# KiCad board sbc.kicad_pcb (continued)
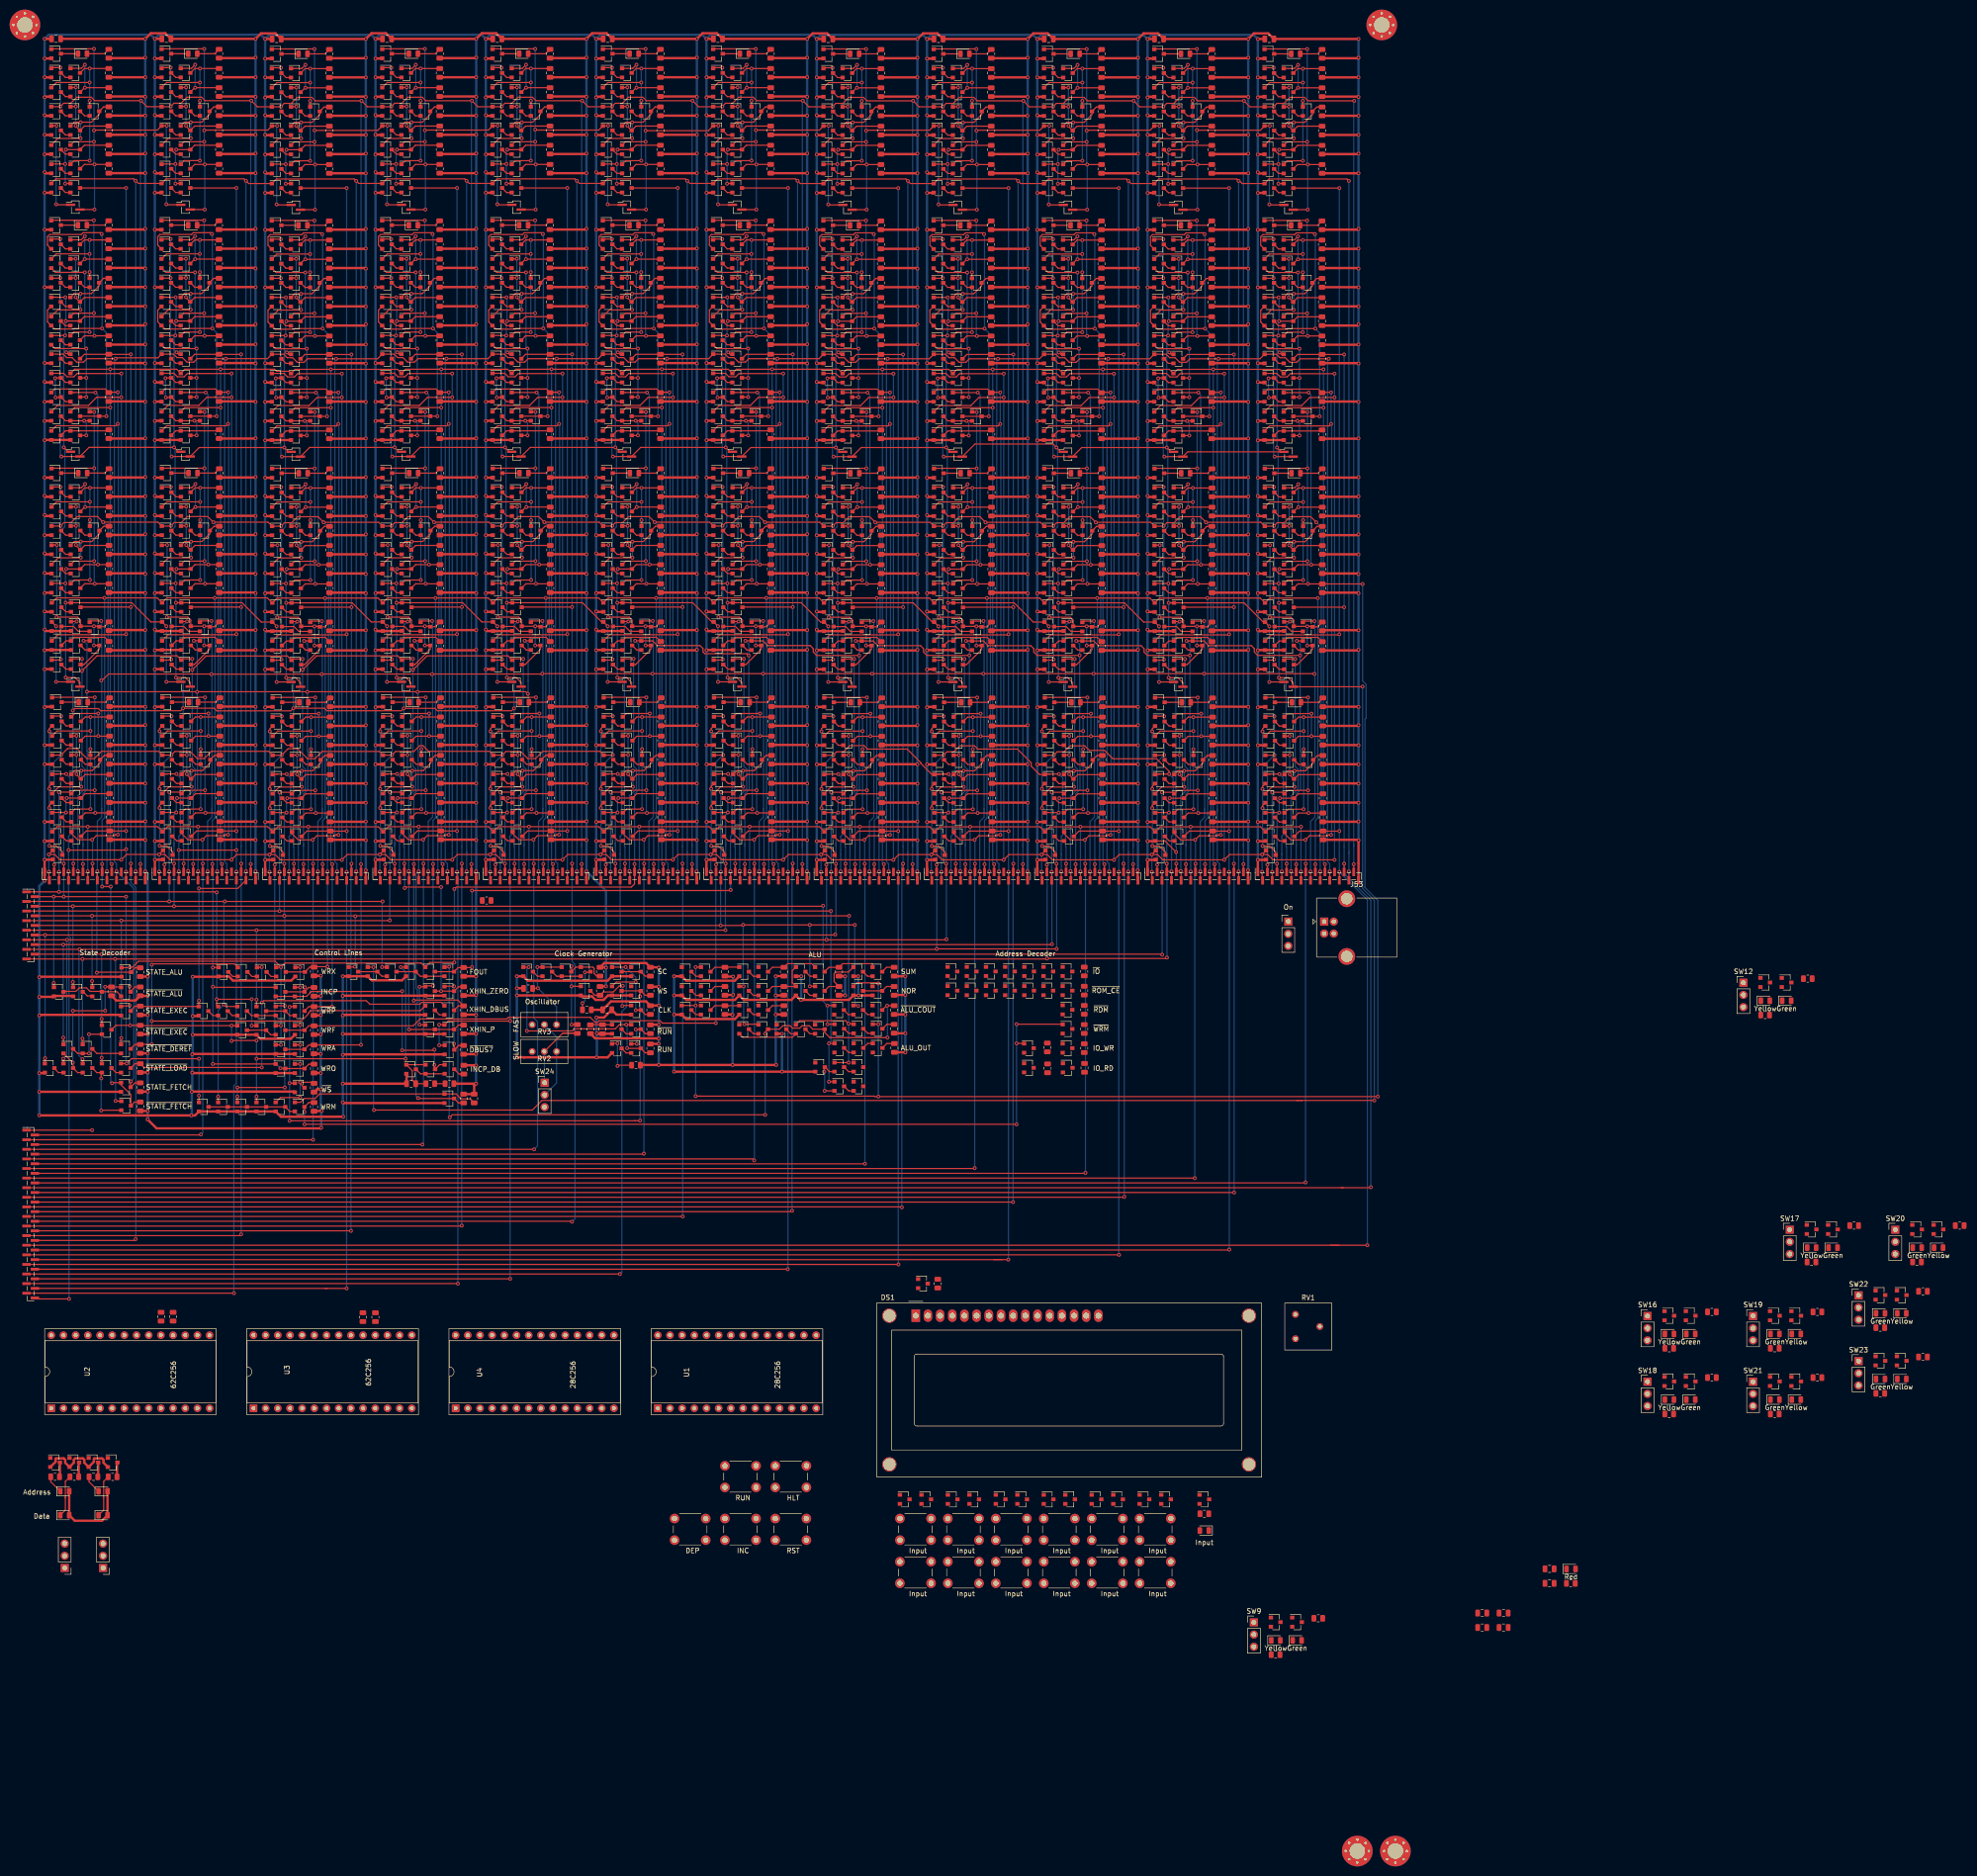
[diagram p0: board, top side]
## Routing (per net, layer and track width the routed paths; a pad name or vN(x,y) marks a point on that pad's centre or on a via; arc(x,y) is an arc through that point) (continued)
  Bottom w0.25: 265.15,209.52 265.15,210.02 ; 265.15,210.02 265.15,220.48 266.05,221.38 266.05,229.37 265.99,229.43 v1(265.99,249.37) 265.99,251.68 v1(265.27,252.39) ; 265.15,210.02 v1(265.15,205.82) ; v1(150.27,252.42) 150.99,251.71 v1(150.99,249.34) 150.99,229.46 151.05,229.39 151.05,221.41 150.15,220.51 150.15,210.05 ; 242.15,209.52 242.15,210.02 ; 242.15,210.02 242.15,220.48 243.05,221.38 243.05,229.37 242.99,229.43 v1(242.99,249.37) 242.99,251.68 v1(242.27,252.39) ; 242.15,210.02 v1(242.15,205.82) ; 219.15,210.02 219.15,220.48 220.05,221.38 220.05,229.37 219.99,229.43 v1(219.99,249.37) 219.99,251.68 v1(219.27,252.39) ; 219.15,210.02 v1(219.15,205.82) ; 219.15,210.02 219.15,209.52 ; v1(196.27,252.39) 196.99,251.68 v1(196.99,249.37) 196.99,229.43 197.05,229.37 197.05,221.38 196.15,220.48 196.15,210.02 ; 196.15,210.02 196.15,209.52 ; 196.15,210.02 v1(196.15,205.82) ; 150.15,210.05 150.15,209.55 ; 150.15,210.05 v1(150.15,205.85) ; 173.15,209.52 173.15,210.02 ; 173.15,210.02 173.15,220.48 174.05,221.38 174.05,229.37 173.99,229.43 v1(173.99,249.34) 173.99,251.68 v1(173.27,252.39) ; 173.15,210.02 v1(173.15,205.82) ; v1(127.27,252.42) 127.99,251.71 127.99,229.46 128.05,229.39 128.05,221.41 127.15,220.51 127.15,210.05 ; v1(127.15,205.85) 127.15,210.05 ; 127.15,210.05 127.15,209.55 ; v1(89.57,185.33) v1(89.57,200.65) ; v1(53.4,184.35) v1(53.4,172.15) v1(53.4,168.15) ; v1(21.85,184.3) v1(21.85,180.35)
~{ALU_COUT}: length 153.2
  Top w0.25: v1(179.9,169.65) 167.9,169.65 166.8,170.75 Q264.3 164.31,171.4 163.59,172.13 162.09,172.13 161.59,171.62 160.09,171.62 159.59,172.13 158.09,172.13 157.36,171.4 Q265.3 154.4,170.8 v1(154.4,170.45) ; v1(88.6,153.03) 89.12,153.55 v1(154.4,153.55) ; R118.2 v1(179.84,176.31) 179.71,176.31 Q263.3 ; v1(88.5,184.45) 88.4,184.35 Q212.1
  Bottom w0.25: v1(179.84,176.31) 179.9,176.25 v1(179.9,169.65) ; v1(88.5,184.45) 88.5,153.13 v1(88.6,153.03) ; v1(154.4,153.55) v1(154.4,170.45)
~{ALU_OUT}: length 5.2
  Top w0.25: Q271.3 175.8,168.45 Q261.1 ; Q270.3 179.76,172.41 R121.2
~{CDIV}: length 55.4
  Top w0.25: v1(261.66,224.61) 258.79,224.61 Q1113.1 258.76,224.58 259.81,224.58 ; v1(261.76,219.58) Q1105.3 265.62,220.49 R459.2 ; v1(261.61,216.58) 258.76,216.58 Q1102.1 ; J45.6 v1(262.15,204.32) ; J45.5 v1(261.15,205.92)
  Bottom w0.25: v1(261.66,224.61) 262.49,223.79 262.49,211.96 262.15,211.62 262.15,207.92 ; v1(261.76,219.58) 261.61,219.43 v1(261.61,216.58) 261.15,216.12 261.15,210.22 ; 262.15,207.82 262.15,207.92 ; 262.15,207.92 v1(262.15,204.32) ; 261.15,209.52 261.15,210.22 ; 261.15,210.22 v1(261.15,205.92)
~{DBUS7}: length 17.6
  Top w0.25: v1(89.49,180.36) 87.56,180.36 Q188.1 ; v1(89.5,168.35) 89.55,168.3 Q197.3 90.46,168.01 R85.2
  Bottom w0.25: v1(89.5,168.35) 89.5,180.35 v1(89.49,180.36)
~{DEP_SW}: length 38.9
  Top w0.25: R477.2 92.86,156.88 90.96,156.88 89.94,157.9 Q1123.1 61.44,157.9 60.49,156.95 58.27,156.95 57.47,156.15 Q218.1
~{F}: length 204.2
  Top w0.25: J25.5 v1(146.15,205.95) ; v1(146.61,216.61) 143.76,216.61 Q687.1 ; R289.2 150.62,220.52 Q690.3 v1(146.76,219.61) ; J49.9 v1(48.3,192.05) v1(146.1,192.05) ; Q209.1 v1(48.3,177.55)
  Bottom w0.25: 146.15,210.25 v1(146.15,205.95) 146.1,205.9 v1(146.1,192.05) ; 146.15,210.25 146.15,216.14 v1(146.61,216.61) 146.61,219.45 v1(146.76,219.61) ; 146.15,210.25 146.15,209.55 ; v1(48.3,177.55) v1(48.3,192.05)
~{INCP_SW}: length 2.2
  Top w0.25: R103.2 R106.2
~{OP3}: length 333.9
  Top w0.25: R153.2 58.57,220.49 Q358.3 v1(54.71,219.58) ; Q355.1 51.71,216.58 v1(54.56,216.58) ; J9.5 v1(54.1,205.92) ; J49.6 v1(14,195.05) v1(54.1,195.05) 68.8,195.05 v1(68.9,194.95) 69,195.05 v1(171.9,195.05) ; v1(14,181.45) 14.05,181.4 Q179.1 ; v1(54.2,176.3) 52.45,176.3 Q208.1 ; Q277.1 v1(171.8,164.45) ; v1(54.2,159.25) v1(44.3,159.25) ; Q268.1 161.63,173.18 171.17,173.18 v1(171.8,172.55) 172.75,172.55 Q275.1 ; Q219.1 68.7,184.35 v1(68.8,184.45) ; v1(44.3,157.35) Q223.1
  Bottom w0.25: v1(54.71,219.58) 54.56,219.43 v1(54.56,216.58) 54.1,216.12 54.1,210.22 ; 54.1,210.22 v1(54.1,205.92) ; 54.1,210.22 54.1,209.52 ; v1(54.1,205.92) 54,205.82 ; v1(54.1,205.92) 54.1,195.55 ; v1(14,181.45) v1(14,195.05) ; v1(68.9,194.95) 68.9,184.55 v1(68.8,184.45) ; v1(54.1,195.05) 54.1,195.55 ; 54.1,195.55 54.2,195.45 v1(54.2,176.3) v1(54.2,159.25) ; v1(171.8,164.45) v1(171.8,172.55) 171.8,194.95 v1(171.9,195.05) ; v1(44.3,159.25) v1(44.3,157.35)
~{OP4}: length 246.9
  Top w0.25: R66.2 35.57,220.52 Q159.3 v1(31.71,219.61) ; Q156.1 28.71,216.61 v1(31.56,216.61) ; J4.5 v1(31.1,205.95) ; v1(10,181.25) 10.05,181.2 Q182.1 ; Q274.1 v1(167.37,176.35) ; v1(167.37,172.45) Q280.1 ; v1(166.47,197.15) 166.38,197.05 v1(31.1,197.05) v1(10,197.05) J49.4
  Bottom w0.25: v1(31.71,219.61) 31.56,219.46 v1(31.56,216.61) 31.1,216.15 31.1,210.25 ; 31.1,210.25 v1(31.1,205.95) ; 31.1,210.25 31.1,209.55 ; v1(31.1,205.95) 31.18,205.87 ; v1(31.1,205.95) v1(31.1,197.05) ; v1(10,181.25) v1(10,197.05) ; v1(166.47,197.15) 166.47,177.25 v1(167.37,176.35) v1(167.37,172.45)
~{OP5}: length 134
  Top w0.25: R32.2 12.57,220.52 Q76.3 v1(8.71,219.61) ; Q74.1 5.71,216.61 v1(8.56,216.61) ; v1(36.3,157.55) Q221.1 ; v1(36.3,165.25) 22.2,165.25 v1(21.2,164.25) Q168.1 ; Q180.1 6.05,181 v1(6,181.05) ; J1.5 v1(8.1,205.95) ; v1(21.1,199.05) v1(8.1,199.05) v1(6,199.05) J49.2
  Bottom w0.25: v1(8.71,219.61) 8.56,219.46 v1(8.56,216.61) 8.1,216.15 8.1,210.25 ; v1(21.1,199.05) 21.1,164.35 v1(21.2,164.25) ; 8.1,210.25 8.1,209.55 ; 8.1,210.25 v1(8.1,205.95) v1(8.1,199.05) ; v1(36.3,165.25) v1(36.3,157.55) ; v1(6,181.05) v1(6,199.05)
~{RST}: length 1946.8
  Top w0.25: Q135.1 29.8,301.5 36.25,301.5 37.94,303.19 v1(43.1,303.19) ; v1(43.1,308.15) 33.89,308.15 33.21,307.47 31.79,307.47 31.06,308.2 Q133.1 ; v1(28,207.85) 28.8,208.65 Q70.1 ; v1(28,207.85) 29.19,207.85 30.29,206.75 v1(43.1,206.75) 44.17,207.82 v1(51,207.82) ; v1(28,207.85) 21.2,207.85 v1(20.1,206.75) 7.29,206.75 6.19,207.85 v1(5,207.85) 5.8,208.65 Q1.1 ; J4.2 28,202.58 v1(28,204.25) ; Q500.1 98.83,301.5 105.28,301.5 106.96,303.18 v1(112.12,303.18) ; v1(112.12,308.15) 102.91,308.15 102.24,307.47 100.81,307.47 100.09,308.2 Q498.1 ; v1(97.03,207.85) 97.82,208.65 Q153.1 ; v1(97.03,207.85) 98.21,207.85 99.31,206.75 v1(112.12,206.75) 113.22,207.85 v1(120.05,207.85) ; v1(97.03,207.85) 90.22,207.85 v1(89.12,206.75) 76.31,206.75 75.21,207.85 v1(74.03,207.85) ; J17.2 97.03,202.57 v1(97.03,204.25) ; Q417.1 75.83,301.5 82.28,301.5 83.96,303.18 v1(89.12,303.18) ; v1(89.12,308.15) 79.91,308.15 79.24,307.47 77.81,307.47 77.09,308.2 Q415.1 ; v1(74.03,207.85) 74.83,208.65 Q152.1 ; v1(74.03,207.85) 67.22,207.85 v1(66.1,206.72) 53.29,206.72 52.19,207.82 v1(51,207.82) ; J13.2 74.03,202.57 v1(74.03,204.25) ; Q334.1 52.8,301.47 59.25,301.47 60.94,303.16 v1(66.1,303.16) ; v1(66.1,308.12) 56.89,308.12 56.21,307.44 54.79,307.44 54.06,308.17 Q332.1 ; v1(51,207.82) 51.8,208.62 Q71.1 ; J9.2 51,202.55 v1(51,204.22) ; Q1081.1 259.85,301.47 266.3,301.47 267.99,303.16 v1(273.15,303.16) ; Q600.1 258.85,208.62 v1(258.05,207.82) ; v1(235.05,207.82) 236.24,207.82 237.34,206.72 v1(250.15,206.72) 251.25,207.82 v1(258.05,207.82) ; v1(235.05,207.82) 235.85,208.62 Q518.1 ; v1(235.05,207.82) 228.25,207.82 v1(227.15,206.72) 214.34,206.72 213.24,207.82 v1(212.05,207.82) ; v1(250.15,308.12) 240.94,308.12 240.26,307.44 238.84,307.44 238.11,308.17 Q996.1 ; v1(143.05,207.85) 143.85,208.65 Q352.1 ; v1(143.05,207.85) 144.24,207.85 145.34,206.75 v1(158.15,206.75) 159.22,207.82 v1(166.05,207.82) ; v1(143.05,207.85) 136.25,207.85 v1(135.15,206.75) 122.34,206.75 121.24,207.85 v1(120.05,207.85) ; Q664.1 146.11,308.2 146.84,307.47 148.26,307.47 148.94,308.15 v1(158.15,308.15) ; v1(135.15,308.15) 125.94,308.15 125.26,307.47 123.84,307.47 123.11,308.2 Q581.1 ; v1(166.05,207.82) 167.24,207.82 168.34,206.72 v1(181.15,206.72) 182.25,207.82 v1(189.05,207.82) ; v1(166.05,207.82) 166.85,208.62 Q434.1 ; v1(166.05,204.22) 166.05,202.55 J29.2 ; v1(181.15,303.16) 175.99,303.16 174.3,301.47 167.85,301.47 Q749.1 ; v1(212.05,207.82) 212.85,208.62 Q517.1 ; v1(212.05,207.82) 205.25,207.82 v1(204.15,206.72) 191.34,206.72 190.24,207.82 v1(189.05,207.82) ; v1(227.15,308.12) 217.94,308.12 217.26,307.44 215.84,307.44 215.11,308.17 Q913.1 ; Q915.1 213.85,301.47 220.3,301.47 221.99,303.16 v1(227.15,303.16) ; v1(189.05,207.82) 189.85,208.62 Q435.1 ; v1(189.05,204.22) 189.05,202.55 J33.2 ; Q830.1 192.11,308.17 192.84,307.44 194.26,307.44 194.94,308.12 v1(204.15,308.12) ; v1(204.15,303.16) 198.99,303.16 197.3,301.47 190.85,301.47 Q832.1 ; v1(212.05,204.22) 212.05,202.55 J37.2 ; v1(158.15,303.18) 152.99,303.18 151.3,301.5 144.85,301.5 Q666.1 ; v1(120.05,207.85) 120.85,208.65 Q351.1 ; v1(120.05,204.25) 120.05,202.57 J21.2 ; Q998.1 236.85,301.47 243.3,301.47 244.99,303.16 v1(250.15,303.16) ; v1(258.05,207.82) 259.24,207.82 260.34,206.72 v1(273.15,206.72) ; Q1079.1 261.11,308.17 261.84,307.44 263.26,307.44 263.94,308.12 v1(273.15,308.12) ; J45.2 258.05,202.55 v1(258.05,204.22) ; v1(135.15,303.18) 129.99,303.18 128.3,301.5 121.85,301.5 Q583.1 ; v1(181.15,308.12) 171.94,308.12 171.26,307.44 169.84,307.44 169.11,308.17 Q747.1 ; J41.2 235.05,202.55 v1(235.05,204.22) ; v1(143.05,204.25) 143.05,202.57 J25.2 ; v1(20.1,303.19) 14.94,303.19 13.25,301.5 6.8,301.5 Q53.1 ; Q51.1 8.06,308.2 8.79,307.47 10.21,307.47 10.89,308.15 v1(20.1,308.15) ; v1(5,204.25) 5,202.58 J1.2
  Bottom w0.25: v1(43.1,308.15) v1(43.1,303.19) v1(43.1,206.75) ; v1(28,207.85) v1(28,204.25) ; v1(112.12,308.15) v1(112.12,303.18) v1(112.12,206.75) ; v1(97.03,207.85) v1(97.03,204.25) ; v1(89.12,308.15) v1(89.12,303.18) v1(89.12,206.75) ; v1(74.03,207.85) v1(74.03,204.25) ; v1(66.1,308.12) v1(66.1,303.16) v1(66.1,206.72) ; v1(51,207.82) v1(51,204.22) ; v1(250.15,206.72) v1(250.15,303.16) v1(250.15,308.12) ; v1(235.05,207.82) v1(235.05,204.22) ; v1(158.15,206.75) v1(158.15,303.18) v1(158.15,308.15) ; v1(135.15,206.75) v1(135.15,303.18) v1(135.15,308.15) ; v1(181.15,206.72) v1(181.15,303.16) v1(181.15,308.12) ; v1(227.15,206.72) v1(227.15,303.16) v1(227.15,308.12) ; v1(204.15,206.72) v1(204.15,303.16) v1(204.15,308.12) ; v1(189.05,207.82) v1(189.05,204.22) ; v1(212.05,207.82) v1(212.05,204.22) ; v1(258.05,207.82) v1(258.05,204.22) ; v1(273.15,308.12) v1(273.15,303.16) v1(273.15,206.72) ; v1(166.05,207.82) v1(166.05,204.22) ; v1(143.05,207.85) v1(143.05,204.25) ; v1(120.05,207.85) v1(120.05,204.25) ; v1(5,207.85) v1(5,204.25) ; v1(20.1,206.75) v1(20.1,303.19) v1(20.1,308.15)
~{S0}: length 447.3
  Top w0.25: v1(238.76,219.58) Q1022.3 242.62,220.49 R425.2 ; J37.3 v1(213.15,205.72) ; Q1019.1 235.76,216.58 v1(238.61,216.58) ; J41.6 v1(239.15,204.32) 238.27,204.32 J41.5 v1(238.15,205.92) ; 236.81,224.58 235.76,224.58 Q1030.1 235.79,224.61 v1(238.66,224.61) 238.66,225.18 236.03,227.8 226.92,227.8 225.18,229.55 222.01,229.55 221.06,230.51 218.02,230.51 216.77,229.26 215.28,229.26 v1(214.61,228.58) 214.56,228.53 Q945.1 ; v1(214.61,236.68) 212.86,236.68 Q942.1 ; v1(18.9,156.45) 18.95,156.4 Q170.1 ; v1(238.2,186.35) 238,186.15 v1(213.2,186.15) 213.1,186.05 v1(18.8,186.05) v1(12,186.05) J49.15 ; v1(12,169.45) 12.05,169.4 Q172.1
  Bottom w0.25: 213.15,209.72 v1(213.15,205.72) 213.2,205.67 v1(213.2,186.15) ; 213.15,209.72 213.15,209.42 ; 213.15,209.72 213.15,224.17 213.09,224.23 213.09,227.06 v1(214.61,228.58) v1(214.61,236.68) ; v1(238.76,219.58) 238.61,219.43 v1(238.61,216.58) 238.15,216.12 238.15,210.22 ; 239.15,207.82 239.15,207.92 ; 239.15,207.92 239.15,211.62 239.49,211.96 239.49,223.79 v1(238.66,224.61) ; 239.15,207.92 v1(239.15,204.32) ; 238.15,209.52 238.15,210.22 ; 238.15,210.22 v1(238.15,205.92) 238.2,205.87 v1(238.2,186.35) ; v1(18.8,186.05) 18.9,185.95 v1(18.9,156.45) ; v1(12,169.45) v1(12,186.05)
~{S1}: length 392.2
  Top w0.25: J33.3 v1(190.15,205.72) ; v1(191.61,236.68) 189.86,236.68 Q859.1 ; Q947.1 212.76,224.58 213.81,224.58 ; Q947.1 212.79,224.61 v1(215.66,224.61) ; Q947.1 211.62,224.53 209.88,226.27 209.88,226.97 207.01,229.83 198.73,229.83 198.06,230.51 195.02,230.51 193.77,229.26 192.28,229.26 v1(191.61,228.58) 191.56,228.53 Q862.1 ; R391.2 219.62,220.49 Q939.3 v1(215.76,219.58) ; J37.6 v1(216.15,204.32) ; Q936.1 212.76,216.58 v1(215.61,216.58) ; J37.5 v1(215.15,205.92) ; v1(215.2,188.15) v1(190.2,188.15) 190.1,188.05 v1(11.4,188.05) J49.13 ; v1(12,165.15) 12.05,165.1 Q175.1
  Bottom w0.25: v1(191.61,236.68) v1(191.61,228.58) 190.09,227.06 190.09,224.23 190.15,224.17 190.15,209.72 ; 215.15,210.22 v1(215.15,205.92) 215.2,205.87 v1(215.2,188.15) ; 215.15,210.22 215.15,216.12 v1(215.61,216.58) 215.61,219.43 v1(215.76,219.58) ; 215.15,210.22 215.15,209.52 ; 216.15,207.92 216.15,211.62 216.49,211.96 216.49,223.79 v1(215.66,224.61) ; 216.15,207.92 v1(216.15,204.32) ; 216.15,207.92 216.15,207.82 ; 190.15,209.72 v1(190.15,205.72) ; 190.15,209.72 190.15,209.42 ; v1(190.15,205.72) 190.05,205.62 ; v1(190.15,205.72) 190.2,205.67 v1(190.2,188.15) ; v1(12,165.15) 11.27,165.88 11.27,187.92 v1(11.4,188.05)
~{S2}: length 369.7
  Top w0.25: v1(192.76,219.58) Q856.3 196.62,220.49 R357.2 ; J29.3 v1(167.15,205.72) ; Q853.1 189.76,216.58 v1(192.61,216.58) ; Q776.1 166.86,236.68 v1(168.61,236.68) ; Q779.1 168.56,228.53 v1(168.61,228.58) 169.28,229.26 170.77,229.26 172.07,230.55 175.01,230.55 175.73,229.83 184.01,229.83 186.88,226.97 186.88,226.82 189.09,224.61 v1(192.66,224.61) 189.79,224.61 Q864.1 189.76,224.58 190.81,224.58 ; J33.5 v1(192.15,205.92) ; J33.6 v1(193.15,204.32) ; J49.11 v1(8.8,190.05) v1(167.2,190.05) 192.1,190.05 v1(192.2,190.15) ; v1(8,165.25) 8.05,165.2 Q178.1
  Bottom w0.25: 193.15,207.92 193.15,211.62 193.49,211.96 193.49,223.79 v1(192.66,224.61) ; 193.15,207.92 193.15,207.82 ; 193.15,207.92 v1(193.15,204.32) ; 167.15,209.42 167.15,209.72 ; 167.15,209.72 167.15,224.17 167.09,224.23 167.09,227.06 v1(168.61,228.58) v1(168.61,236.68) ; 167.15,209.72 v1(167.15,205.72) 167.2,205.67 v1(167.2,190.05) ; 192.15,210.22 192.15,216.12 v1(192.61,216.58) 192.61,219.43 v1(192.76,219.58) ; 192.15,210.22 192.15,209.52 ; 192.15,210.22 v1(192.15,205.92) 192.2,205.87 v1(192.2,190.15) ; v1(8.8,190.05) 8.73,189.98 8.73,165.98 v1(8,165.25)
~{S3}: length 264.1
  Top w0.25: J29.5 v1(169.15,205.92) ; Q770.1 166.76,216.58 v1(169.61,216.58) ; R323.2 173.62,220.49 Q773.3 v1(169.76,219.58) ; v1(169.66,224.61) 166.79,224.61 Q781.1 166.76,224.58 167.81,224.58 ; J29.6 v1(170.15,204.32) ; J49.10 v1(4.2,191.05) 168.9,191.05 v1(169,191.15) ; Q181.1 4.15,165.3 v1(4.2,165.35)
  Bottom w0.25: 169.15,210.22 169.15,216.12 v1(169.61,216.58) 169.61,219.43 v1(169.76,219.58) ; 169.15,210.22 169.15,209.52 ; 169.15,210.22 v1(169.15,205.92) 169.15,191.3 v1(169,191.15) ; 170.15,207.92 170.15,211.62 170.49,211.96 170.49,223.79 v1(169.66,224.61) ; 170.15,207.92 170.15,207.82 ; 170.15,207.92 v1(170.15,204.32) ; v1(4.2,165.35) v1(4.2,191.05)
~{START_SW}: length 8.9
  Top w0.25: R104.2 123.75,163.9 v1(123.6,163.75) ; v1(123.6,168.45) 122.55,168.45 Q239.1
  Bottom w0.25: v1(123.6,163.75) v1(123.6,168.45)
~{STATE_DEREF}: length 98.2
  Top w0.25: v1(26.45,184.85) 26.63,185.03 43.67,185.03 Q207.1 ; v1(26.45,173.1) 57.64,173.1 59.08,174.54 59.08,174.74 59.61,175.27 82.47,175.27 Q192.1 ; Q169.3 22.96,168.21 R72.2 24.09,168.25 v1(26.45,168.25)
  Bottom w0.25: v1(26.45,168.25) v1(26.45,173.1) v1(26.45,184.85)
~{STATE_LOAD}: length 89.1
  Top w0.25: Q168.3 22.96,164.21 R71.2 24.84,163.43 v1(49.4,163.43) ; 49.48,177.03 v1(49.4,176.95) 49.8,177.35 71.2,177.35 71.93,176.62 82.39,176.62 82.79,177.03 86.77,177.03 Q189.1 ; Q204.1 49.35,184.3 v1(49.4,184.35)
  Bottom w0.25: v1(49.4,184.35) v1(49.4,176.95) v1(49.4,163.43)
~{STOP_SW}: length 4.5
  Top w0.25: Q238.1 C5.2 117.99,172.35 R102.2
~{SW0}: length 470.8
  Top w0.25: v1(272.43,304.22) 270.64,304.22 R447.2 269.79,304.9 259.28,304.9 Q1080.1 ; v1(272.43,211.92) 271.86,211.92 271.68,211.75 267.93,211.75 v1(267.08,210.89) 264.04,210.89 262.75,212.18 Q1031.1 ; Q1083.1 259.6,297.22 272.03,297.22 v1(272.43,297.62) ; J45.11 v1(267.15,205.92) ; J50.12 267,139.35 v1(267.1,139.45)
  Bottom w0.25: v1(272.43,304.22) v1(272.43,297.62) 272.55,297.62 272.55,212.05 v1(272.43,211.92) ; v1(267.08,210.89) 267.15,210.82 v1(267.15,205.92) 267.1,205.87 v1(267.1,139.45)
~{SW1}: length 448.5
  Top w0.25: v1(249.43,304.22) 247.64,304.22 R413.2 246.79,304.9 236.28,304.9 Q997.1 ; v1(249.43,297.62) 249.03,297.22 236.6,297.22 Q1000.1 ; Q948.1 239.75,212.18 241.04,210.89 v1(244.08,210.89) 244.93,211.75 248.68,211.75 248.86,211.92 v1(249.43,211.92) ; J41.11 v1(244.15,205.92) ; J50.11 v1(244,140.35)
  Bottom w0.25: v1(249.43,211.92) 249.55,212.05 249.55,297.62 v1(249.43,297.62) v1(249.43,304.22) ; v1(244.08,210.89) 244.15,210.82 v1(244.15,205.92) 244,205.77 v1(244,140.35)
~{SW2}: length 422.9
  Top w0.25: v1(226.43,211.92) 225.86,211.92 225.68,211.75 221.93,211.75 v1(221.08,210.89) 218.04,210.89 216.75,212.18 Q865.1 ; Q917.1 213.6,297.22 226.03,297.22 v1(226.43,297.62) ; J37.11 v1(221.15,205.92) ; v1(226.43,304.22) 224.64,304.22 R379.2 223.79,304.9 213.28,304.9 Q914.1 ; J50.10 221.1,141.35 v1(221.2,141.45)
  Bottom w0.25: v1(226.43,211.92) 226.55,212.05 226.55,297.62 v1(226.43,297.62) v1(226.43,304.22) ; v1(221.08,210.89) 221.15,210.82 v1(221.15,205.92) 221.2,205.87 v1(221.2,141.45)
~{SW3}: length 400.5
  Top w0.25: v1(203.43,211.92) 202.86,211.92 202.68,211.75 198.93,211.75 v1(198.08,210.89) 195.04,210.89 193.75,212.18 Q782.1 ; J33.11 v1(198.15,205.92) ; v1(203.43,304.22) 201.64,304.22 R345.2 200.79,304.9 190.28,304.9 Q831.1 ; Q834.1 190.6,297.22 203.03,297.22 v1(203.43,297.62) ; J50.9 198,142.35 v1(198.1,142.45)
  Bottom w0.25: v1(203.43,304.22) v1(203.43,297.62) 203.55,297.62 203.55,212.05 v1(203.43,211.92) ; v1(198.08,210.89) 198.15,210.82 v1(198.15,205.92) 198.1,205.87 v1(198.1,142.45)
~{SW4}: length 375
  Top w0.25: v1(180.43,297.62) 180.03,297.22 167.6,297.22 Q751.1 ; J29.11 v1(175.15,205.92) ; v1(180.43,304.22) 178.64,304.22 R311.2 177.79,304.9 167.28,304.9 Q748.1 ; v1(180.43,211.92) 179.86,211.92 179.68,211.75 175.93,211.75 v1(175.08,210.89) 172.04,210.89 170.75,212.18 Q699.1 ; v1(175.2,143.35) 175.17,143.32 2.1,143.32 J50.8
  Bottom w0.25: v1(180.43,211.92) 180.55,212.05 180.55,297.62 v1(180.43,297.62) v1(180.43,304.22) ; v1(175.08,210.89) 175.15,210.82 v1(175.15,205.92) 175.2,205.87 v1(175.2,143.35)
~{SW5}: length 353
  Top w0.25: v1(157.43,211.95) 156.86,211.95 156.68,211.77 152.93,211.77 v1(152.08,210.92) 149.04,210.92 147.75,212.21 Q616.1 ; Q665.1 144.28,304.92 154.79,304.92 R277.2 155.64,304.25 v1(157.43,304.25) ; v1(157.43,297.65) 157.03,297.25 144.6,297.25 Q668.1 ; J25.11 v1(152.15,205.95) ; v1(152.1,144.05) 151.8,144.35 J50.7
  Bottom w0.25: v1(152.08,210.92) 152.15,210.85 v1(152.15,205.95) 152.15,144.1 v1(152.1,144.05) ; v1(157.43,211.95) 157.55,212.07 157.55,297.65 v1(157.43,297.65) v1(157.43,304.25)
~{SW6}: length 326.8
  Top w0.25: v1(134.43,211.95) 133.86,211.95 133.68,211.77 129.93,211.77 v1(129.08,210.92) 126.04,210.92 124.75,212.21 Q533.1 ; v1(134.43,304.25) 132.64,304.25 R243.2 131.79,304.92 121.28,304.92 Q582.1 ; J21.11 v1(129.15,205.95) ; v1(134.43,297.65) 134.03,297.25 121.6,297.25 Q585.1 ; v1(129.1,145.45) 129,145.35 J50.6
  Bottom w0.25: v1(129.08,210.92) 129.15,210.85 v1(129.15,205.95) 129.1,205.9 v1(129.1,145.45) ; v1(134.43,211.95) 134.55,212.07 134.55,297.65 v1(134.43,297.65) v1(134.43,304.25)
~{SW7}: length 305.3
  Top w0.25: Q499.1 98.25,304.92 108.76,304.92 R209.2 109.61,304.25 v1(111.4,304.25) ; Q450.1 101.72,212.21 103.01,210.92 v1(106.05,210.92) 106.9,211.77 110.66,211.77 110.83,211.95 v1(111.4,211.95) ; Q502.1 98.58,297.25 111,297.25 v1(111.4,297.65) ; J17.11 v1(106.12,205.95) ; J50.5 v1(106.2,146.35)
  Bottom w0.25: v1(111.4,304.25) v1(111.4,297.65) 111.53,297.65 111.53,212.07 v1(111.4,211.95) ; v1(106.05,210.92) 106.12,210.85 v1(106.12,205.95) 106.12,173.74 106.92,172.95 106.92,147.07 v1(106.2,146.35)
~{SW8}: length 278.7
  Top w0.25: Q416.1 75.25,304.92 85.76,304.92 R175.2 86.61,304.25 v1(88.4,304.25) ; Q367.1 78.72,212.21 80.01,210.92 v1(83.05,210.92) 83.9,211.77 87.66,211.77 87.83,211.95 v1(88.4,211.95) ; Q419.1 75.58,297.25 88,297.25 v1(88.4,297.65) ; J13.11 v1(83.12,205.95) ; J50.4 v1(82.9,147.35)
  Bottom w0.25: v1(88.4,304.25) v1(88.4,297.65) 88.53,297.65 88.53,212.07 v1(88.4,211.95) ; v1(83.05,210.92) 83.12,210.85 v1(83.12,205.95) 83.12,147.58 v1(82.9,147.35)
~{SW9}: length 256.6
  Top w0.25: Q333.1 52.23,304.9 62.74,304.9 R141.2 63.59,304.22 v1(65.38,304.22) ; Q284.1 55.7,212.18 56.99,210.89 v1(60.03,210.89) 60.88,211.75 64.63,211.75 64.81,211.92 v1(65.38,211.92) ; Q336.1 52.55,297.22 64.98,297.22 v1(65.38,297.62) ; J9.11 v1(60.1,205.92) ; J50.3 v1(60.1,148.35)
  Bottom w0.25: v1(65.38,304.22) v1(65.38,297.62) 65.5,297.62 65.5,212.05 v1(65.38,211.92) ; v1(60.03,210.89) 60.1,210.82 v1(60.1,205.92) v1(60.1,148.35)
~{SW10}: length 230.6
  Top w0.25: Q134.1 29.23,304.93 39.74,304.93 R54.2 40.59,304.25 v1(42.38,304.25) ; Q85.1 32.7,212.21 33.99,210.92 v1(37.03,210.92) 37.88,211.78 41.63,211.78 41.81,211.95 v1(42.38,211.95) ; Q137.1 29.55,297.25 41.98,297.25 v1(42.38,297.65) ; J4.11 v1(37.1,205.95) ; J50.2 36.6,149.35 v1(36.7,149.45)
  Bottom w0.25: v1(42.38,304.25) v1(42.38,297.65) 42.5,297.65 42.5,212.08 v1(42.38,211.95) ; v1(37.03,210.92) 37.1,210.85 v1(37.1,205.95) 37.1,149.85 v1(36.7,149.45)
~{SW11}: length 153
  Top w0.25: v1(19.38,297.65) 18.98,297.25 6.55,297.25 Q55.1 ; J1.11 v1(14.1,205.95) ; v1(19.38,304.25) 17.59,304.25 R21.2 16.74,304.93 6.23,304.93 Q52.1 ; v1(19.38,211.95) 18.81,211.95 18.63,211.78 14.88,211.78 v1(14.03,210.92) 10.99,210.92 9.7,212.21 Q2.1 ; J50.1 v1(14,150.35)
  Bottom w0.25: v1(19.38,304.25) v1(19.38,297.65) 19.5,297.65 19.5,212.08 v1(19.38,211.95) ; v1(14.03,210.92) 14.1,210.85 v1(14.1,205.95) 14,205.85
~{WRP}: length 1668.5
  Top w0.25: Q131.1 33.35,301.05 v1(40.8,301.05) ; v1(41.1,205.85) J4.15 ; Q496.1 102.38,301.05 v1(109.82,301.05) ; v1(110.12,205.85) J17.15 ; Q413.1 79.38,301.05 v1(86.83,301.05) ; v1(87.12,205.85) J13.15 ; Q330.1 56.35,301.02 v1(63.8,301.02) ; v1(64.1,205.82) J9.15 ; v1(270.85,301.02) 263.4,301.02 Q1077.1 ; v1(156.15,205.85) J25.15 ; Q662.1 148.4,301.05 v1(155.85,301.05) ; v1(248.15,205.82) J41.15 ; v1(225.15,205.82) J37.15 ; Q828.1 194.4,301.02 v1(201.85,301.02) ; v1(270.85,309.02) 263.4,309.02 Q1075.1 261.7,309.02 v1(247.85,309.02) 240.4,309.02 Q992.1 238.7,309.02 v1(224.85,309.02) 217.4,309.02 Q909.1 215.7,309.02 v1(201.85,309.02) 194.4,309.02 Q826.1 192.7,309.02 v1(178.85,309.02) 171.4,309.02 Q743.1 169.68,309.05 v1(155.85,309.05) 148.4,309.05 Q660.1 146.7,309.05 v1(132.85,309.05) 125.4,309.05 Q577.1 123.7,309.05 v1(109.82,309.05) 102.38,309.05 Q494.1 100.68,309.05 v1(86.83,309.05) 79.38,309.05 Q411.1 77.7,309.02 v1(63.8,309.02) 56.35,309.02 Q328.1 55.05,308.62 52.48,308.62 52.06,309.05 v1(40.8,309.05) 33.35,309.05 Q129.1 31.65,309.05 v1(17.8,309.05) 10.35,309.05 Q47.1 ; Q579.1 125.4,301.05 v1(132.85,301.05) ; v1(247.85,301.02) 240.4,301.02 Q994.1 ; v1(271.15,205.82) J45.15 ; v1(178.85,301.02) 171.4,301.02 Q745.1 ; v1(202.15,205.82) J33.15 ; Q911.1 217.4,301.02 v1(224.85,301.02) ; v1(179.15,205.82) J29.15 ; v1(133.15,205.85) J21.15 ; Q49.1 10.35,301.05 v1(17.8,301.05) ; v1(18.1,205.85) J1.15 ; v1(64.06,176.11) R89.2 59.21,176.11 Q203.3
  Bottom w0.25: v1(40.8,309.05) v1(40.8,301.05) 40.8,206.15 v1(41.1,205.85) ; v1(109.82,309.05) v1(109.82,301.05) 109.82,206.15 v1(110.12,205.85) ; v1(86.83,309.05) v1(86.83,301.05) 86.83,206.15 v1(87.12,205.85) ; v1(63.8,309.02) v1(63.8,301.02) 63.8,206.12 v1(64.1,205.82) 64.1,177.45 64.06,177.41 v1(64.06,176.11) ; v1(132.85,309.05) v1(132.85,301.05) 132.85,206.15 v1(133.15,205.85) ; v1(271.15,205.82) 270.85,206.12 v1(270.85,301.02) v1(270.85,309.02) ; v1(178.85,309.02) v1(178.85,301.02) 178.85,206.12 v1(179.15,205.82) ; v1(225.15,205.82) 224.85,206.12 v1(224.85,301.02) v1(224.85,309.02) ; v1(201.85,309.02) v1(201.85,301.02) 201.85,206.12 v1(202.15,205.82) ; v1(155.85,309.05) v1(155.85,301.05) 155.85,206.15 v1(156.15,205.85) ; v1(248.15,205.82) 247.85,206.12 v1(247.85,301.02) v1(247.85,309.02) ; v1(18.1,205.85) 17.8,206.15 v1(17.8,301.05) v1(17.8,309.05)
